# Altium PCB ADAPTONE_CARTE_DE_SON_V2.PcbDoc (part 1 of 2) (continued)
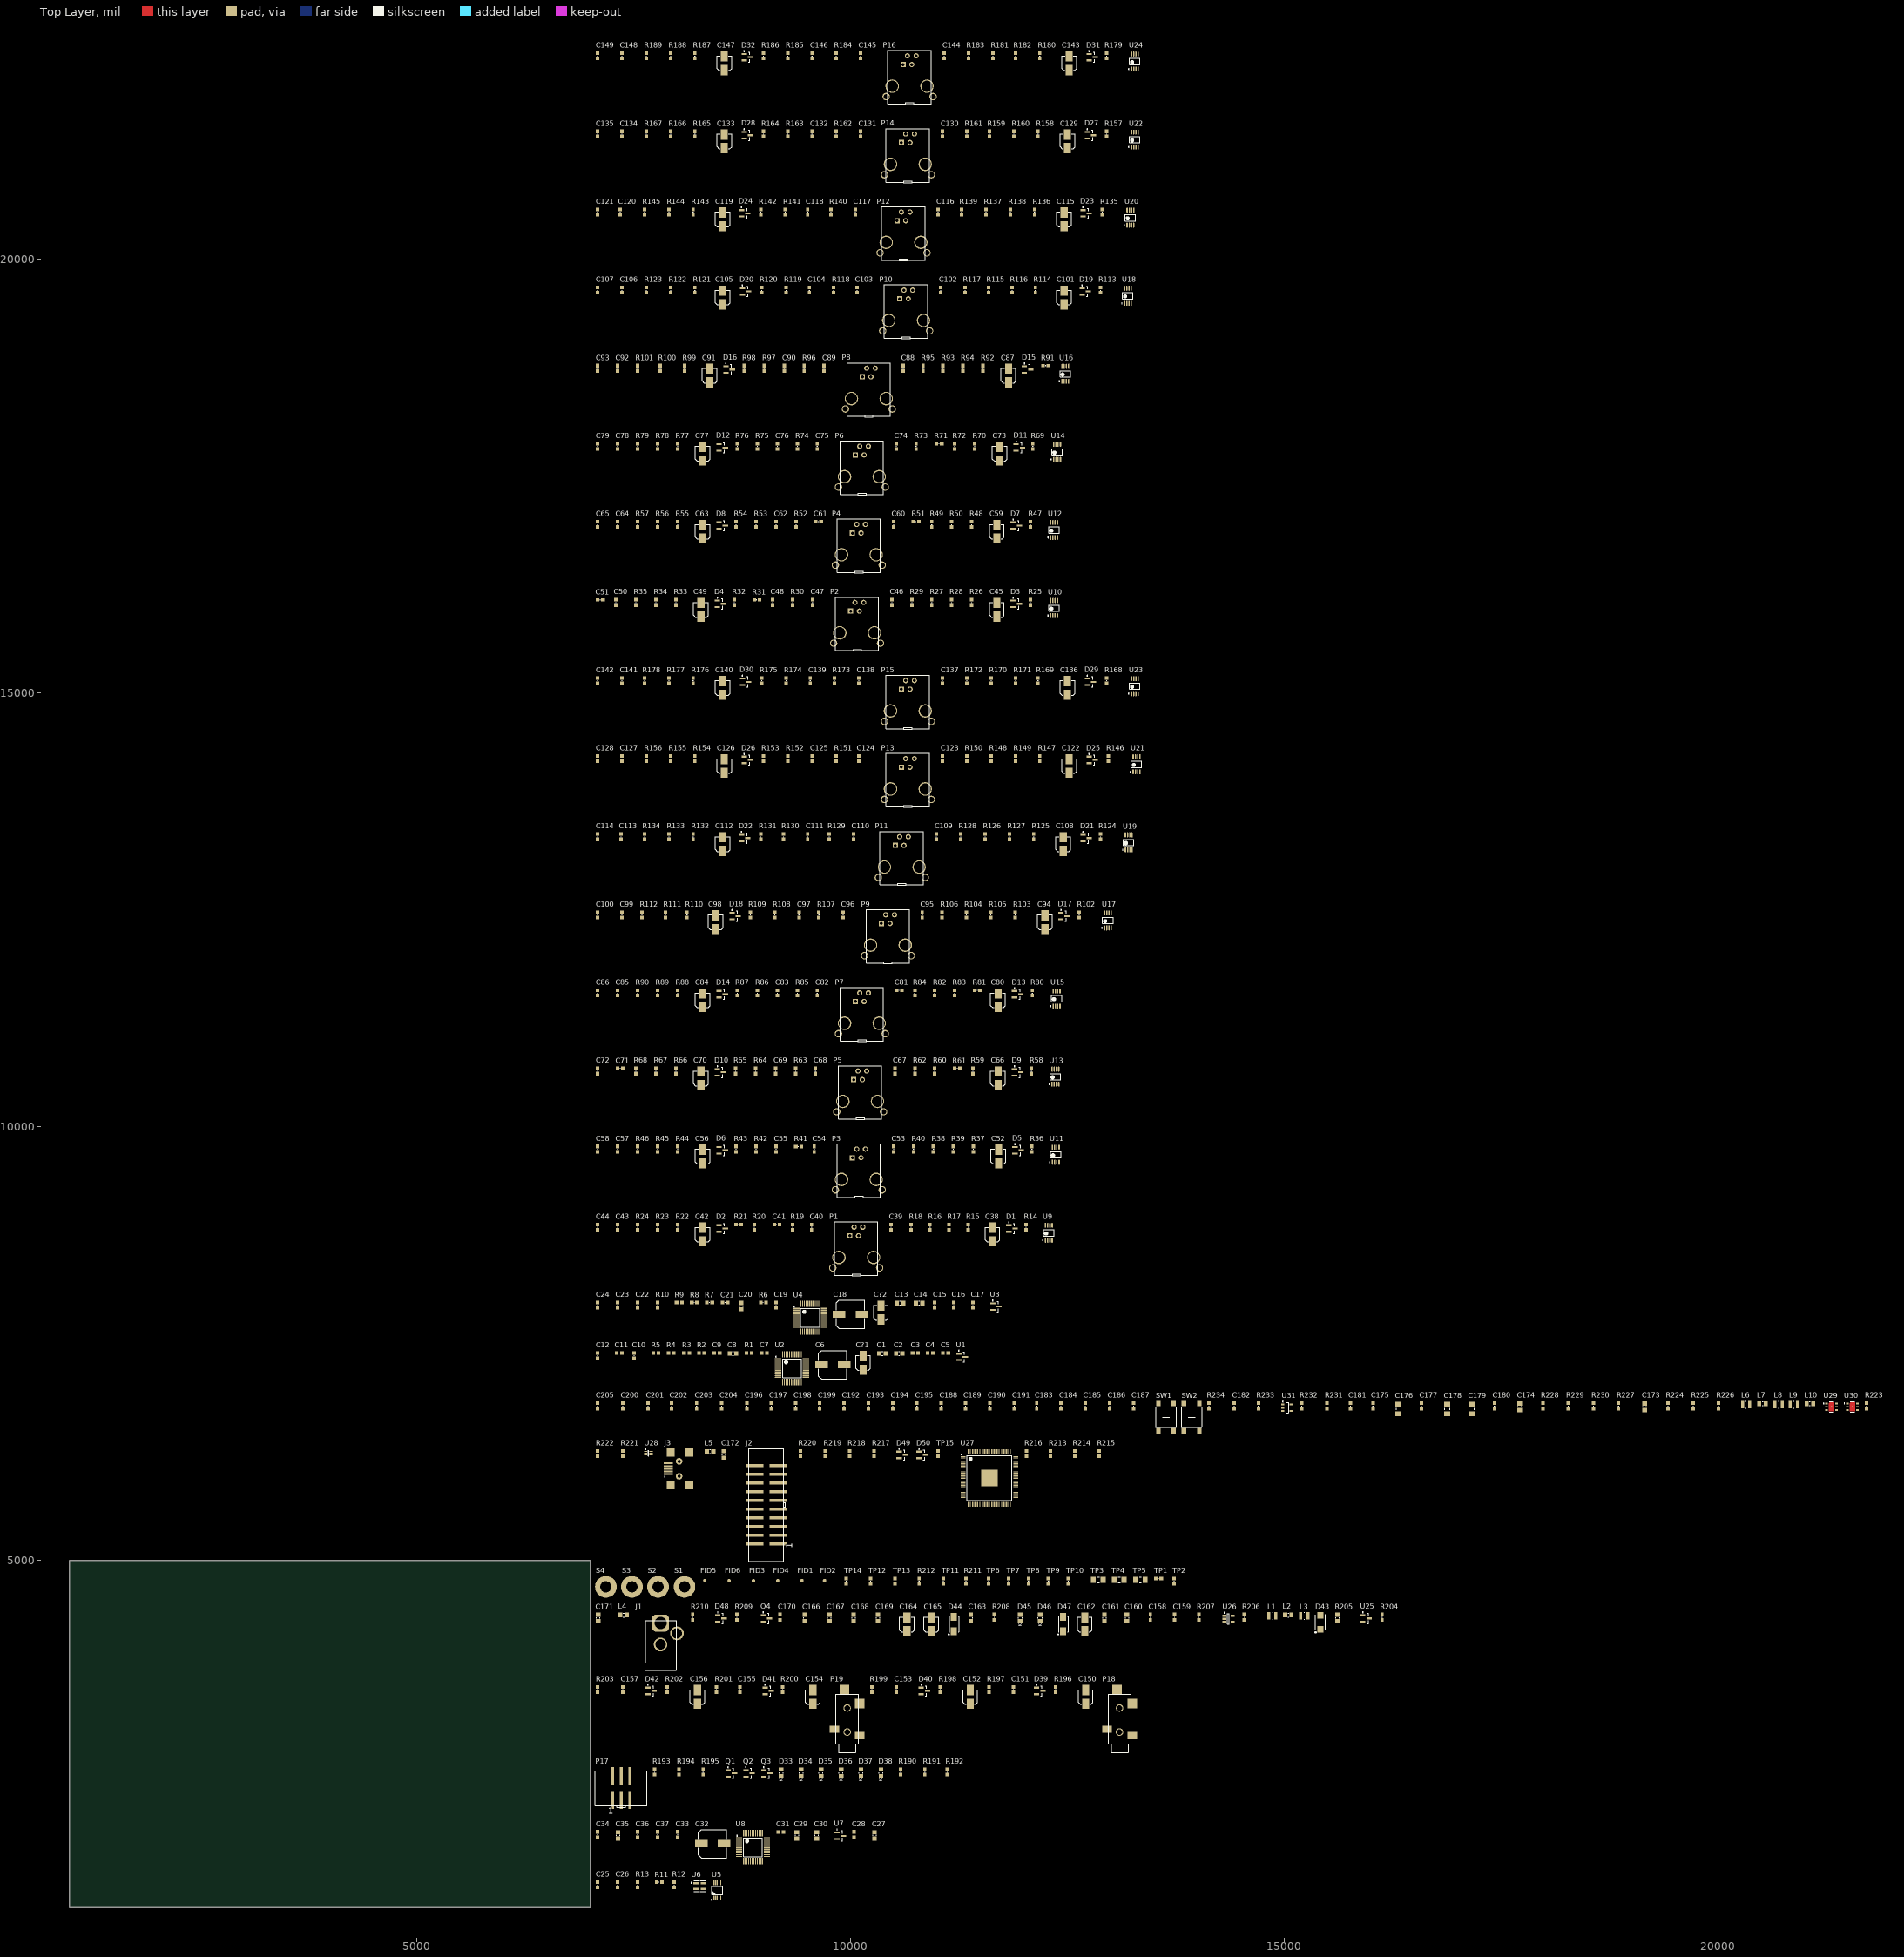
[diagram p0: Top Layer view]
## Components (designator, comment, footprint, x,y, rotation, side; value= is the part's Value field where it differs from the comment) (continued)
C57 "Capacitor" 0603 7315,9740 r90 top value=470pF (schematic designator C35)
C58 "Capacitor" 0603 7085,9740 r90 top value=100nF (schematic designator C36)
C59 "Capacitor_Polarized" CAP_RAD_SMD_DIA157 11685,16855 r90 top value=10uF (schematic designator C30)
C60 "Capacitor" 0603 10495,16940 r90 top value=470pF (schematic designator C31)
C61 "Capacitor" 0603 9630,16970 r0 top value=2200pF (schematic designator C32)
C62 "Capacitor" 0603 9140,16940 r90 top value=100nF (schematic designator C33)
C63 "Capacitor_Polarized" CAP_RAD_SMD_DIA157 8295,16855 r90 top value=10uF (schematic designator C34)
C64 "Capacitor" 0603 7315,16940 r90 top value=470pF (schematic designator C35)
C65 "Capacitor" 0603 7085,16940 r90 top value=100nF (schematic designator C36)
C66 "Capacitor_Polarized" CAP_RAD_SMD_DIA157 11700,10555 r90 top value=10uF (schematic designator C30)
C67 "Capacitor" 0603 10510,10640 r90 top value=470pF (schematic designator C31)
C68 "Capacitor" 0603 9595,10640 r90 top value=2200pF (schematic designator C32)
C69 "Capacitor" 0603 9135,10640 r90 top value=100nF (schematic designator C33)
C70 "Capacitor_Polarized" CAP_RAD_SMD_DIA157 8275,10555 r90 top value=10uF (schematic designator C34)
C71 "Capacitor" 0603 7345,10670 r0 top value=470pF (schematic designator C35)
C72 "Capacitor" 0603 7085,10640 r90 top value=100nF (schematic designator C36)
C73 "Capacitor_Polarized" CAP_RAD_SMD_DIA157 11720,17755 r90 top value=10uF (schematic designator C30)
C74 "Capacitor" 0603 10525,17840 r90 top value=470pF (schematic designator C31)
C75 "Capacitor" 0603 9615,17840 r90 top value=2200pF (schematic designator C32)
C76 "Capacitor" 0603 9155,17840 r90 top value=100nF (schematic designator C33)
C77 "Capacitor_Polarized" CAP_RAD_SMD_DIA157 8295,17755 r90 top value=10uF (schematic designator C34)
C78 "Capacitor" 0603 7315,17840 r90 top value=470pF (schematic designator C35)
C79 "Capacitor" 0603 7085,17840 r90 top value=100nF (schematic designator C36)
C80 "Capacitor_Polarized" CAP_RAD_SMD_DIA157 11700,11455 r90 top value=10uF (schematic designator C30)
C81 "Capacitor" 0603 10560,11570 r0 top value=470pF (schematic designator C31)
C82 "Capacitor" 0603 9615,11540 r90 top value=2200pF (schematic designator C32)
C83 "Capacitor" 0603 9155,11540 r90 top value=100nF (schematic designator C33)
C84 "Capacitor_Polarized" CAP_RAD_SMD_DIA157 8295,11455 r90 top value=10uF (schematic designator C34)
C85 "Capacitor" 0603 7315,11540 r90 top value=470pF (schematic designator C35)
C86 "Capacitor" 0603 7085,11540 r90 top value=100nF (schematic designator C36)
C87 "Capacitor_Polarized" CAP_RAD_SMD_DIA157 11820,18655 r90 top value=10uF (schematic designator C30)
C88 "Capacitor" 0603 10605,18740 r90 top value=470pF (schematic designator C31)
C89 "Capacitor" 0603 9695,18740 r90 top value=2200pF (schematic designator C32)
C90 "Capacitor" 0603 9235,18740 r90 top value=100nF (schematic designator C33)
C91 "Capacitor_Polarized" CAP_RAD_SMD_DIA157 8375,18655 r90 top value=10uF (schematic designator C34)
C92 "Capacitor" 0603 7315,18740 r90 top value=470pF (schematic designator C35)
C93 "Capacitor" 0603 7085,18740 r90 top value=100nF (schematic designator C36)
C94 "Capacitor_Polarized" CAP_RAD_SMD_DIA157 12240,12355 r90 top value=10uF (schematic designator C30)
C95 "Capacitor" 0603 10825,12440 r90 top value=470pF (schematic designator C31)
C96 "Capacitor" 0603 9915,12440 r90 top value=2200pF (schematic designator C32)
C97 "Capacitor" 0603 9405,12440 r90 top value=100nF (schematic designator C33)
C98 "Capacitor_Polarized" CAP_RAD_SMD_DIA157 8445,12355 r90 top value=10uF (schematic designator C34)
C99 "Capacitor" 0603 7365,12440 r90 top value=470pF (schematic designator C35)
C100 "Capacitor" 0603 7085,12440 r90 top value=100nF (schematic designator C36)
C101 "Capacitor_Polarized" CAP_RAD_SMD_DIA157 12460,19555 r90 top value=10uF (schematic designator C30)
C102 "Capacitor" 0603 11040,19640 r90 top value=470pF (schematic designator C31)
C103 "Capacitor" 0603 10075,19640 r90 top value=2200pF (schematic designator C32)
C104 "Capacitor" 0603 9525,19640 r90 top value=100nF (schematic designator C33)
C105 "Capacitor_Polarized" CAP_RAD_SMD_DIA157 8525,19555 r90 top value=10uF (schematic designator C34)
C106 "Capacitor" 0603 7365,19640 r90 top value=470pF (schematic designator C35)
C107 "Capacitor" 0603 7085,19640 r90 top value=100nF (schematic designator C36)
C108 "Capacitor_Polarized" CAP_RAD_SMD_DIA157 12450,13255 r90 top value=10uF (schematic designator C30)
C109 "Capacitor" 0603 10990,13340 r90 top value=470pF (schematic designator C31)
C110 "Capacitor" 0603 10035,13340 r90 top value=2200pF (schematic designator C32)
C111 "Capacitor" 0603 9505,13340 r90 top value=100nF (schematic designator C33)
C112 "Capacitor_Polarized" CAP_RAD_SMD_DIA157 8525,13255 r90 top value=10uF (schematic designator C34)
C113 "Capacitor" 0603 7355,13340 r90 top value=470pF (schematic designator C35)
C114 "Capacitor" 0603 7085,13340 r90 top value=100nF (schematic designator C36)
C115 "Capacitor_Polarized" CAP_RAD_SMD_DIA157 12460,20455 r90 top value=10uF (schematic designator C30)
C116 "Capacitor" 0603 11010,20540 r90 top value=470pF (schematic designator C31)
C117 "Capacitor" 0603 10055,20540 r90 top value=2200pF (schematic designator C32)
C118 "Capacitor" 0603 9505,20540 r90 top value=100nF (schematic designator C33)
C119 "Capacitor_Polarized" CAP_RAD_SMD_DIA157 8525,20455 r90 top value=10uF (schematic designator C34)
C120 "Capacitor" 0603 7345,20540 r90 top value=470pF (schematic designator C35)
C121 "Capacitor" 0603 7085,20540 r90 top value=100nF (schematic designator C36)
C122 "Capacitor_Polarized" CAP_RAD_SMD_DIA157 12520,14155 r90 top value=10uF (schematic designator C30)
C123 "Capacitor" 0603 11060,14240 r90 top value=470pF (schematic designator C31)
C124 "Capacitor" 0603 10095,14240 r90 top value=2200pF (schematic designator C32)
C125 "Capacitor" 0603 9555,14240 r90 top value=100nF (schematic designator C33)
C126 "Capacitor_Polarized" CAP_RAD_SMD_DIA157 8545,14155 r90 top value=10uF (schematic designator C34)
C127 "Capacitor" 0603 7365,14240 r90 top value=470pF (schematic designator C35)
C128 "Capacitor" 0603 7085,14240 r90 top value=100nF (schematic designator C36)
C129 "Capacitor_Polarized" CAP_RAD_SMD_DIA157 12500,21355 r90 top value=10uF (schematic designator C30)
C130 "Capacitor" 0603 11060,21440 r90 top value=470pF (schematic designator C31)
C131 "Capacitor" 0603 10115,21440 r90 top value=2200pF (schematic designator C32)
C132 "Capacitor" 0603 9555,21440 r90 top value=100nF (schematic designator C33)
C133 "Capacitor_Polarized" CAP_RAD_SMD_DIA157 8545,21355 r90 top value=10uF (schematic designator C34)
C134 "Capacitor" 0603 7365,21440 r90 top value=470pF (schematic designator C35)
C135 "Capacitor" 0603 7085,21440 r90 top value=100nF (schematic designator C36)
C136 "Capacitor_Polarized" CAP_RAD_SMD_DIA157 12500,15055 r90 top value=10uF (schematic designator C30)
C137 "Capacitor" 0603 11060,15140 r90 top value=470pF (schematic designator C31)
C138 "Capacitor" 0603 10095,15140 r90 top value=2200pF (schematic designator C32)
C139 "Capacitor" 0603 9535,15140 r90 top value=100nF (schematic designator C33)
C140 "Capacitor_Polarized" CAP_RAD_SMD_DIA157 8525,15055 r90 top value=10uF (schematic designator C34)
C141 "Capacitor" 0603 7365,15140 r90 top value=470pF (schematic designator C35)
C142 "Capacitor" 0603 7085,15140 r90 top value=100nF (schematic designator C36)
C143 "Capacitor_Polarized" CAP_RAD_SMD_DIA157 12520,22255 r90 top value=10uF (schematic designator C30)
C144 "Capacitor" 0603 11080,22340 r90 top value=470pF (schematic designator C31)
C145 "Capacitor" 0603 10115,22340 r90 top value=2200pF (schematic designator C32)
C146 "Capacitor" 0603 9555,22340 r90 top value=100nF (schematic designator C33)
C147 "Capacitor_Polarized" CAP_RAD_SMD_DIA157 8545,22255 r90 top value=10uF (schematic designator C34)
C148 "Capacitor" 0603 7365,22340 r90 top value=470pF (schematic designator C35)
C149 "Capacitor" 0603 7085,22340 r90 top value=100nF (schematic designator C36)
C150 "Capacitor_Polarized" CAP_RAD_SMD_DIA157 12710,3425 r90 top value=10uF (schematic designator C81)
C151 "Capacitor" 0603 11875,3510 r90 top value=2200pF (schematic designator C82)
C152 "Capacitor_Polarized" CAP_RAD_SMD_DIA157 11380,3425 r90 top value=10uF (schematic designator C83)
C153 "Capacitor" 0603 10525,3510 r90 top value=2200pF (schematic designator C84)
C154 "Capacitor_Polarized" CAP_RAD_SMD_DIA157 9565,3425 r90 top value=10uF (schematic designator C85)
C155 "Capacitor" 0603 8725,3510 r90 top value=2200pF (schematic designator C86)
C156 "Capacitor_Polarized" CAP_RAD_SMD_DIA157 8235,3425 r90 top value=10uF (schematic designator C87)
C157 "Capacitor" 0603 7375,3510 r90 top value=2200pF (schematic designator C88)
C158 "Capacitor" 0603 13455,4345 r90 top value=470pF (schematic designator C3)
C159 "Capacitor" 0603 13735,4345 r90 top value=470pF (schematic designator C4)
C160 "Capacitor" 0805 13185,4335 r90 top value=4u7F (schematic designator C5)
C161 "Capacitor" 0805 12925,4335 r90 top value=4u7F (schematic designator C6)
C162 "Capacitor_Polarized" CAP_RAD_SMD_DIA157 12700,4260 r90 top value=10uF (schematic designator C7)
C163 "Capacitor" 0805 11385,4335 r90 top value=4u7F (schematic designator C8)
C164 "Capacitor_Polarized" CAP_RAD_SMD_DIA157 10650,4260 r90 top value=10uF (schematic designator C9)
C165 "Capacitor_Polarized" CAP_RAD_SMD_DIA157 10930,4260 r90 top value=10uF (schematic designator C10)
C166 "Capacitor" 0805 9475,4335 r90 top value=4u7F (schematic designator C11)
C167 "Capacitor" 0805 9755,4335 r90 top value=4u7F (schematic designator C12)
C168 "Capacitor" 0805 10035,4335 r90 top value=4u7F (schematic designator C13)
C169 "Capacitor" 0805 10315,4335 r90 top value=4u7F (schematic designator C14)
C170 "Capacitor" 0603 9185,4345 r90 top value=100nF (schematic designator C15)
C171 "Capacitor" 0805 7090,4335 r90 top value=4u7F (schematic designator C16)
C172 "Capacitor" 0805 8540,6220 r90 top value=4u7F (schematic designator C17)
C173 "Capacitor" 0805 19150,6770 r90 top value=4u7F (schematic designator C37)
C174 "Capacitor" 0805 17710,6770 r90 top value=4u7F (schematic designator C38)
C175 "Capacitor" 0603 16020,6780 r90 top value=100nF (schematic designator C39)
C176 "Capacitor" 1206 16315,6745 r90 top value=22uF (schematic designator C40)
C177 "Capacitor" 0603 16580,6780 r90 top value=100nF (schematic designator C41)
C178 "Capacitor" 1206 16875,6745 r90 top value=22uF (schematic designator C42)
C179 "Capacitor" 1206 17155,6745 r90 top value=22uF (schematic designator C43)
C180 "Capacitor" 0603 17420,6780 r90 top value=100nF (schematic designator C44)
C181 "Capacitor" 0603 15760,6780 r90 top value=100nF (schematic designator C45)
C182 "Capacitor" 0603 14420,6780 r90 top value=100nF (schematic designator C46)
C183 "Capacitor" 0603 12145,6780 r90 top value=100nF (schematic designator C47)
C184 "Capacitor" 0603 12425,6780 r90 top value=100nF (schematic designator C48)
C185 "Capacitor" 0603 12705,6780 r90 top value=100nF (schematic designator C49)
C186 "Capacitor" 0603 12985,6780 r90 top value=100nF (schematic designator C50)
C187 "Capacitor" 0603 13260,6780 r90 top value=100nF (schematic designator C51)
C188 "Capacitor" 0603 11045,6780 r90 top value=100nF (schematic designator C52)
C189 "Capacitor" 0603 11325,6780 r90 top value=100nF (schematic designator C53)
C190 "Capacitor" 0603 11605,6780 r90 top value=100nF (schematic designator C54)
C191 "Capacitor" 0603 11885,6780 r90 top value=100nF (schematic designator C55)
C192 "Capacitor" 0603 9925,6780 r90 top value=100nF (schematic designator C56)
C193 "Capacitor" 0603 10205,6780 r90 top value=100nF (schematic designator C57)
C194 "Capacitor" 0603 10485,6780 r90 top value=100nF (schematic designator C58)
C195 "Capacitor" 0603 10765,6780 r90 top value=100nF (schematic designator C59)
C196 "Capacitor" 0603 8805,6780 r90 top value=100nF (schematic designator C60)
C197 "Capacitor" 0603 9085,6780 r90 top value=100nF (schematic designator C61)
C198 "Capacitor" 0603 9365,6780 r90 top value=100nF (schematic designator C62)
C199 "Capacitor" 0603 9645,6780 r90 top value=100nF (schematic designator C63)
C200 "Capacitor" 0603 7375,6780 r90 top value=100nF (schematic designator C64)
C201 "Capacitor" 0603 7665,6780 r90 top value=100nF (schematic designator C65)
C202 "Capacitor" 0603 7935,6780 r90 top value=100nF (schematic designator C66)
C203 "Capacitor" 0603 8225,6780 r90 top value=100nF (schematic designator C67)
C204 "Capacitor" 0603 8515,6780 r90 top value=100nF (schematic designator C68)
C205 "Capacitor" 0603 7085,6780 r90 top value=100nF (schematic designator C69)
C?1 "Capacitor_Polarized" CAP_RAD_SMD_DIA157 10145,7275 r90 top value=220uF (schematic designator C89)
C?2 "Capacitor_Polarized" CAP_RAD_SMD_DIA157 10350,7855 r90 top value=220uF (schematic designator C89)
D1 "Diode_dual" SOT23_132 11860,8825 r0 top (schematic designator D15)
D2 "Diode_dual" SOT23_132 8520,8825 r0 top (schematic designator D16)
D3 "Diode_dual" SOT23_132 11910,16025 r0 top (schematic designator D15)
D4 "Diode_dual" SOT23_132 8500,16025 r0 top (schematic designator D16)
D5 "Diode_dual" SOT23_132 11930,9725 r0 top (schematic designator D15)
D6 "Diode_dual" SOT23_132 8520,9725 r0 top (schematic designator D16)
D7 "Diode_dual" SOT23_132 11910,16925 r0 top (schematic designator D15)
D8 "Diode_dual" SOT23_132 8520,16925 r0 top (schematic designator D16)
D9 "Diode_dual" SOT23_132 11925,10625 r0 top (schematic designator D15)
D10 "Diode_dual" SOT23_132 8500,10625 r0 top (schematic designator D16)
D11 "Diode_dual" SOT23_132 11945,17825 r0 top (schematic designator D15)
D12 "Diode_dual" SOT23_132 8520,17825 r0 top (schematic designator D16)
D13 "Diode_dual" SOT23_132 11925,11525 r0 top (schematic designator D15)
D14 "Diode_dual" SOT23_132 8520,11525 r0 top (schematic designator D16)
D15 "Diode_dual" SOT23_132 12040,18725 r0 top
D16 "Diode_dual" SOT23_132 8600,18725 r0 top
D17 "Diode_dual" SOT23_132 12460,12425 r0 top (schematic designator D15)
D18 "Diode_dual" SOT23_132 8670,12425 r0 top (schematic designator D16)
D19 "Diode_dual" SOT23_132 12705,19625 r0 top (schematic designator D15)
D20 "Diode_dual" SOT23_132 8790,19625 r0 top (schematic designator D16)
D21 "Diode_dual" SOT23_132 12715,13325 r0 top (schematic designator D15)
D22 "Diode_dual" SOT23_132 8780,13325 r0 top (schematic designator D16)
D23 "Diode_dual" SOT23_132 12715,20525 r0 top (schematic designator D15)
D24 "Diode_dual" SOT23_132 8780,20525 r0 top (schematic designator D16)
D25 "Diode_dual" SOT23_132 12785,14225 r0 top (schematic designator D15)
D26 "Diode_dual" SOT23_132 8810,14225 r0 top (schematic designator D16)
D27 "Diode_dual" SOT23_132 12765,21425 r0 top (schematic designator D15)
D28 "Diode_dual" SOT23_132 8810,21425 r0 top (schematic designator D16)
D29 "Diode_dual" SOT23_132 12765,15125 r0 top (schematic designator D15)
D30 "Diode_dual" SOT23_132 8790,15125 r0 top (schematic designator D16)
D31 "Diode_dual" SOT23_132 12785,22325 r0 top (schematic designator D15)
D32 "Diode_dual" SOT23_132 8810,22325 r0 top (schematic designator D16)
D33 "Diode_LED" 0805_LED 9200,2550 r90 top (schematic designator D1)
D34 "Diode_LED" 0805_LED 9430,2550 r90 top (schematic designator D2)
D35 "Diode_LED" 0805_LED 9660,2550 r90 top (schematic designator D3)
D36 "Diode_LED" 0805_LED 9890,2550 r90 top (schematic designator D4)
D37 "Diode_LED" 0805_LED 10120,2550 r90 top (schematic designator D5)
D38 "Diode_LED" 0805_LED 10350,2550 r90 top (schematic designator D6)
D39 "Diode_dual" SOT23_132 12180,3495 r0 top (schematic designator D17)
D40 "Diode_dual" SOT23_132 10850,3495 r0 top (schematic designator D18)
D41 "Diode_dual" SOT23_132 9050,3495 r0 top (schematic designator D19)
D42 "Diode_dual" SOT23_132 7700,3495 r0 top (schematic designator D20)
D43 "Diode" DIODE_SMA 15415,4285 r90 top (schematic designator D7)
D44 "Diode_zener" DIODE_DO-214AC/SMA 11190,4265 r90 top (schematic designator D8)
D45 "Diode_LED" 0805_LED 11955,4335 r90 top (schematic designator D9)
D46 "Diode_LED" 0805_LED 12185,4335 r90 top (schematic designator D10)
D47 "Diode_zener" DIODE_DO-214AC/SMA 12450,4265 r90 top (schematic designator D11)
D48 "Diode_dual" SOT23_132 8505,4330 r0 top (schematic designator D12)
D49 "Diode_dual" SOT23_132 10595,6215 r0 top (schematic designator D13)
D50 "Diode_dual" SOT23_132 10825,6215 r0 top (schematic designator D14)
FID1 "Fiducial" FIDUCIAL 9440,4765 r0 top
FID2 "Fiducial" FIDUCIAL 9700,4765 r90 top
FID3 "Fiducial" FIDUCIAL 8880,4765 r90 top
FID4 "Fiducial" FIDUCIAL 9160,4765 r90 top
FID5 "Fiducial" FIDUCIAL 8320,4765 r90 top
FID6 "Fiducial" FIDUCIAL 8600,4765 r90 top
J1 "CON_POWER_RAPC712X" CONN_2.5mmID5.5mmOD_RAPC712X 7810,4030 r0 top
J2 "CON20" CONN20_100mils_pol_SMD 9030,5640 r90 top
J3 "USB_MINIB_690-005-299-043" CONN_USB_MINIB_690-005-299-043 8020,6055 r0 top
L1 "Inductor" IND_252012CDMC/DS 14860,4360 r0 top value=10uH
L2 "Ferrite" 0805 15045,4370 r0 top value=100R
L3 "Inductor" IND_252012CDMC/DS 15230,4360 r0 top value=10uH
L4 "Ferrite" 0805 7385,4370 r0 top value=100R
L5 "Ferrite" 0805 8380,6255 r0 top value=100R
L6 "Inductor" IND_252012CDMC/DS 20320,6795 r0 top value=2u2H
L7 "Ferrite" 0805 20510,6805 r0 top value=100R
L8 "Inductor" IND_252012CDMC/DS 20695,6795 r0 top value=10uH
L9 "Inductor" IND_252012CDMC/DS 20870,6795 r0 top value=2u2H
L10 "Ferrite" 0805 21055,6805 r0 top value=100R
P1 "CON6_5555140-2" CONN4_5555140-2 10065,8490 r0 top (schematic designator P2)
P2 "CON6_5555140-2" CONN4_5555140-2 10075,15690 r0 top
P3 "CON6_5555140-2" CONN4_5555140-2 10095,9390 r0 top (schematic designator P2)
P4 "CON6_5555140-2" CONN4_5555140-2 10095,16590 r0 top (schematic designator P2)
P5 "CON6_5555140-2" CONN4_5555140-2 10110,10290 r0 top (schematic designator P2)
P6 "CON6_5555140-2" CONN4_5555140-2 10130,17490 r0 top (schematic designator P2)
P7 "CON6_5555140-2" CONN4_5555140-2 10130,11190 r0 top (schematic designator P2)
P8 "CON6_5555140-2" CONN4_5555140-2 10210,18390 r0 top (schematic designator P2)
P9 "CON6_5555140-2" CONN4_5555140-2 10430,12090 r0 top (schematic designator P2)
P10 "CON6_5555140-2" CONN4_5555140-2 10640,19290 r0 top (schematic designator P2)
P11 "CON6_5555140-2" CONN4_5555140-2 10590,12990 r0 top (schematic designator P2)
P12 "CON6_5555140-2" CONN4_5555140-2 10610,20190 r0 top (schematic designator P2)
P13 "CON6_5555140-2" CONN4_5555140-2 10660,13890 r0 top (schematic designator P2)
P14 "CON6_5555140-2" CONN4_5555140-2 10660,21090 r0 top (schematic designator P2)
P15 "CON6_5555140-2" CONN4_5555140-2 10660,14790 r0 top (schematic designator P2)
P16 "CON6_5555140-2" CONN4_5555140-2 10680,21990 r0 top (schematic designator P2)
P17 "CON6_3020-06-0300-00" CONN6_100mils_pol_SMD 7355,2375 r0 top (schematic designator P1)
P18 "CON_AUDIO_3.5mm_TRS_ALT1" "CONN_3.5mm_CUI 3523-SMT" 13100,2845 r90 top (schematic designator P3)
P19 "CON_AUDIO_3.5mm_TRS_ALT1" "CONN_3.5mm_CUI 3523-SMT" 9960,2845 r90 top (schematic designator P4)
Q1 "BJT_N_GDS" SOT23_GDS 8625,2545 r0 top
Q2 "BJT_N_GDS" SOT23_GDS 8830,2545 r0 top
Q3 "BJT_N_GDS" SOT23_GDS 9035,2545 r0 top
Q4 "MOSFET_P_GDS" SOT23_GDS 9030,4330 r0 top
R1 "Resistor" 0603 8830,7390 r0 top value=10k (schematic designator R29)
R2 "Resistor" 0603 8285,7390 r0 top value=33R (schematic designator R30)
R3 "Resistor" 0603 8110,7390 r0 top value=33R (schematic designator R31)
R4 "Resistor" 0603 7930,7390 r0 top value=33R (schematic designator R32)
R5 "Resistor" 0603 7755,7390 r0 top value=33R (schematic designator R33)
R6 "Resistor" 0603 8995,7970 r0 top value=10k (schematic designator R29)
R7 "Resistor" 0603 8375,7970 r0 top value=33R (schematic designator R30)
R8 "Resistor" 0603 8200,7970 r0 top value=33R (schematic designator R31)
R9 "Resistor" 0603 8025,7970 r0 top value=33R (schematic designator R32)
R10 "Resistor" 0603 7775,7940 r90 top value=33R (schematic designator R33)
R11 "Resistor" 0603 7795,1290 r0 top value=33R (schematic designator R1)
R12 "Resistor" 0603 7965,1260 r90 top value=33R (schematic designator R2)
R13 "Resistor" 0603 7545,1260 r90 top value=0R (schematic designator R3)
R14 "Resistor" 0603 12020,8840 r90 top value=1k (schematic designator R34)
R15 "Resistor" 0603 11355,8840 r90 top value=91R (schematic designator R35)
R16 "Resistor" 0603 10915,8840 r90 top value=100k (schematic designator R36)
R17 "Resistor" 0603 11135,8840 r90 top value=100k (schematic designator R37)
R18 "Resistor" 0603 10695,8840 r90 top value=634R (schematic designator R38)
R19 "Resistor" 0603 9330,8840 r90 top value=10R (schematic designator R39)
R20 "Resistor" 0603 8890,8840 r90 top value=100k (schematic designator R40)
R21 "Resistor" 0603 8710,8870 r0 top value=1k (schematic designator R41)
R22 "Resistor" 0603 8005,8840 r90 top value=91R (schematic designator R42)
R23 "Resistor" 0603 7775,8840 r90 top value=100k (schematic designator R43)
R24 "Resistor" 0603 7545,8840 r90 top value=634R (schematic designator R44)
R25 "Resistor" 0603 12070,16040 r90 top value=1k (schematic designator R34)
R26 "Resistor" 0603 11395,16040 r90 top value=91R (schematic designator R35)
R27 "Resistor" 0603 10935,16040 r90 top value=100k (schematic designator R36)
R28 "Resistor" 0603 11165,16040 r90 top value=100k (schematic designator R37)
R29 "Resistor" 0603 10705,16040 r90 top value=634R (schematic designator R38)
R30 "Resistor" 0603 9330,16040 r90 top value=10R (schematic designator R39)
R31 "Resistor" 0603 8920,16070 r0 top value=100k (schematic designator R40)
R32 "Resistor" 0603 8660,16040 r90 top value=1k (schematic designator R41)
R33 "Resistor" 0603 7985,16040 r90 top value=91R (schematic designator R42)
R34 "Resistor" 0603 7755,16040 r90 top value=100k (schematic designator R43)
R35 "Resistor" 0603 7525,16040 r90 top value=634R (schematic designator R44)
R36 "Resistor" 0603 12090,9740 r90 top value=1k (schematic designator R34)
R37 "Resistor" 0603 11415,9740 r90 top value=91R (schematic designator R35)
R38 "Resistor" 0603 10955,9740 r90 top value=100k (schematic designator R36)
R39 "Resistor" 0603 11185,9740 r90 top value=100k (schematic designator R37)
R40 "Resistor" 0603 10725,9740 r90 top value=634R (schematic designator R38)
R41 "Resistor" 0603 9400,9770 r0 top value=10R (schematic designator R39)
R42 "Resistor" 0603 8910,9740 r90 top value=100k (schematic designator R40)
R43 "Resistor" 0603 8680,9740 r90 top value=1k (schematic designator R41)
R44 "Resistor" 0603 8005,9740 r90 top value=91R (schematic designator R42)
R45 "Resistor" 0603 7775,9740 r90 top value=100k (schematic designator R43)
R46 "Resistor" 0603 7545,9740 r90 top value=634R (schematic designator R44)
R47 "Resistor" 0603 12070,16940 r90 top value=1k (schematic designator R34)
R48 "Resistor" 0603 11395,16940 r90 top value=91R (schematic designator R35)
R49 "Resistor" 0603 10935,16940 r90 top value=100k (schematic designator R36)
R50 "Resistor" 0603 11165,16940 r90 top value=100k (schematic designator R37)
R51 "Resistor" 0603 10755,16970 r0 top value=634R (schematic designator R38)
R52 "Resistor" 0603 9370,16940 r90 top value=10R (schematic designator R39)
R53 "Resistor" 0603 8910,16940 r90 top value=100k (schematic designator R40)
R54 "Resistor" 0603 8680,16940 r90 top value=1k (schematic designator R41)
R55 "Resistor" 0603 8005,16940 r90 top value=91R (schematic designator R42)
R56 "Resistor" 0603 7775,16940 r90 top value=100k (schematic designator R43)
R57 "Resistor" 0603 7545,16940 r90 top value=634R (schematic designator R44)
R58 "Resistor" 0603 12085,10640 r90 top value=1k (schematic designator R34)
R59 "Resistor" 0603 11410,10640 r90 top value=91R (schematic designator R35)
R60 "Resistor" 0603 10970,10640 r90 top value=100k (schematic designator R36)
R61 "Resistor" 0603 11230,10670 r0 top value=100k (schematic designator R37)
R62 "Resistor" 0603 10740,10640 r90 top value=634R (schematic designator R38)
R63 "Resistor" 0603 9365,10640 r90 top value=10R (schematic designator R39)
R64 "Resistor" 0603 8905,10640 r90 top value=100k (schematic designator R40)
R65 "Resistor" 0603 8675,10640 r90 top value=1k (schematic designator R41)
R66 "Resistor" 0603 7985,10640 r90 top value=91R (schematic designator R42)
R67 "Resistor" 0603 7755,10640 r90 top value=100k (schematic designator R43)
R68 "Resistor" 0603 7525,10640 r90 top value=634R (schematic designator R44)
R69 "Resistor" 0603 12100,17840 r90 top value=1k (schematic designator R34)
R70 "Resistor" 0603 11430,17840 r90 top value=91R (schematic designator R35)
R71 "Resistor" 0603 11020,17870 r0 top value=100k (schematic designator R36)
R72 "Resistor" 0603 11200,17840 r90 top value=100k (schematic designator R37)
R73 "Resistor" 0603 10755,17840 r90 top value=634R (schematic designator R38)
R74 "Resistor" 0603 9385,17840 r90 top value=10R (schematic designator R39)
R75 "Resistor" 0603 8925,17840 r90 top value=100k (schematic designator R40)
R76 "Resistor" 0603 8695,17840 r90 top value=1k (schematic designator R41)
R77 "Resistor" 0603 8005,17840 r90 top value=91R (schematic designator R42)
R78 "Resistor" 0603 7775,17840 r90 top value=100k (schematic designator R43)
R79 "Resistor" 0603 7545,17840 r90 top value=634R (schematic designator R44)
R80 "Resistor" 0603 12095,11540 r90 top value=1k (schematic designator R34)
R81 "Resistor" 0603 11460,11570 r0 top value=91R (schematic designator R35)
R82 "Resistor" 0603 10970,11540 r90 top value=100k (schematic designator R36)
R83 "Resistor" 0603 11200,11540 r90 top value=100k (schematic designator R37)
R84 "Resistor" 0603 10740,11540 r90 top value=634R (schematic designator R38)
R85 "Resistor" 0603 9385,11540 r90 top value=10R (schematic designator R39)
R86 "Resistor" 0603 8925,11540 r90 top value=100k (schematic designator R40)
R87 "Resistor" 0603 8695,11540 r90 top value=1k (schematic designator R41)
R88 "Resistor" 0603 8005,11540 r90 top value=91R (schematic designator R42)
R89 "Resistor" 0603 7775,11540 r90 top value=100k (schematic designator R43)
R90 "Resistor" 0603 7545,11540 r90 top value=634R (schematic designator R44)
R91 "Resistor" 0603 12250,18770 r0 top value=1k (schematic designator R34)
R92 "Resistor" 0603 11525,18740 r90 top value=91R (schematic designator R35)
R93 "Resistor" 0603 11065,18740 r90 top value=100k (schematic designator R36)
R94 "Resistor" 0603 11295,18740 r90 top value=100k (schematic designator R37)
R95 "Resistor" 0603 10835,18740 r90 top value=634R (schematic designator R38)
R96 "Resistor" 0603 9465,18740 r90 top value=10R (schematic designator R39)
R97 "Resistor" 0603 9005,18740 r90 top value=100k (schematic designator R40)
R98 "Resistor" 0603 8775,18740 r90 top value=1k (schematic designator R41)
R99 "Resistor" 0603 8085,18740 r90 top value=91R (schematic designator R42)
R100 "Resistor" 0603 7805,18740 r90 top value=100k (schematic designator R43)
R101 "Resistor" 0603 7545,18740 r90 top value=634R (schematic designator R44)
R102 "Resistor" 0603 12635,12440 r90 top value=1k (schematic designator R34)
R103 "Resistor" 0603 11895,12440 r90 top value=91R (schematic designator R35)
R104 "Resistor" 0603 11335,12440 r90 top value=100k (schematic designator R36)
R105 "Resistor" 0603 11615,12440 r90 top value=100k (schematic designator R37)
R106 "Resistor" 0603 11055,12440 r90 top value=634R (schematic designator R38)
R107 "Resistor" 0603 9635,12440 r90 top value=10R (schematic designator R39)
R108 "Resistor" 0603 9125,12440 r90 top value=100k (schematic designator R40)
R109 "Resistor" 0603 8845,12440 r90 top value=1k (schematic designator R41)
R110 "Resistor" 0603 8115,12440 r90 top value=91R (schematic designator R42)
R111 "Resistor" 0603 7865,12440 r90 top value=100k (schematic designator R43)
R112 "Resistor" 0603 7595,12440 r90 top value=634R (schematic designator R44)
R113 "Resistor" 0603 12880,19640 r90 top value=1k (schematic designator R34)
R114 "Resistor" 0603 12130,19640 r90 top value=91R (schematic designator R35)
R115 "Resistor" 0603 11590,19640 r90 top value=100k (schematic designator R36)
R116 "Resistor" 0603 11860,19640 r90 top value=100k (schematic designator R37)
R117 "Resistor" 0603 11320,19640 r90 top value=634R (schematic designator R38)
R118 "Resistor" 0603 9805,19640 r90 top value=10R (schematic designator R39)
R119 "Resistor" 0603 9255,19640 r90 top value=100k (schematic designator R40)
R120 "Resistor" 0603 8975,19640 r90 top value=1k (schematic designator R41)
R121 "Resistor" 0603 8205,19640 r90 top value=91R (schematic designator R42)
R122 "Resistor" 0603 7925,19640 r90 top value=100k (schematic designator R43)
R123 "Resistor" 0603 7645,19640 r90 top value=634R (schematic designator R44)
R124 "Resistor" 0603 12880,13340 r90 top value=1k (schematic designator R34)
R125 "Resistor" 0603 12110,13340 r90 top value=91R (schematic designator R35)
R126 "Resistor" 0603 11550,13340 r90 top value=100k (schematic designator R36)
R127 "Resistor" 0603 11830,13340 r90 top value=100k (schematic designator R37)
R128 "Resistor" 0603 11270,13340 r90 top value=634R (schematic designator R38)
R129 "Resistor" 0603 9755,13340 r90 top value=10R (schematic designator R39)
R130 "Resistor" 0603 9225,13340 r90 top value=100k (schematic designator R40)
R131 "Resistor" 0603 8965,13340 r90 top value=1k (schematic designator R41)
R132 "Resistor" 0603 8185,13340 r90 top value=91R (schematic designator R42)
R133 "Resistor" 0603 7905,13340 r90 top value=100k (schematic designator R43)
R134 "Resistor" 0603 7625,13340 r90 top value=634R (schematic designator R44)
R135 "Resistor" 0603 12900,20540 r90 top value=1k (schematic designator R34)
R136 "Resistor" 0603 12120,20540 r90 top value=91R (schematic designator R35)
R137 "Resistor" 0603 11560,20540 r90 top value=100k (schematic designator R36)
R138 "Resistor" 0603 11840,20540 r90 top value=100k (schematic designator R37)
R139 "Resistor" 0603 11280,20540 r90 top value=634R (schematic designator R38)
R140 "Resistor" 0603 9775,20540 r90 top value=10R (schematic designator R39)
R141 "Resistor" 0603 9245,20540 r90 top value=100k (schematic designator R40)
R142 "Resistor" 0603 8965,20540 r90 top value=1k (schematic designator R41)
R143 "Resistor" 0603 8185,20540 r90 top value=91R (schematic designator R42)
R144 "Resistor" 0603 7905,20540 r90 top value=100k (schematic designator R43)
R145 "Resistor" 0603 7625,20540 r90 top value=634R (schematic designator R44)
R146 "Resistor" 0603 12970,14240 r90 top value=1k (schematic designator R34)
R147 "Resistor" 0603 12180,14240 r90 top value=91R (schematic designator R35)
R148 "Resistor" 0603 11620,14240 r90 top value=100k (schematic designator R36)
R149 "Resistor" 0603 11900,14240 r90 top value=100k (schematic designator R37)
R150 "Resistor" 0603 11340,14240 r90 top value=634R (schematic designator R38)
R151 "Resistor" 0603 9835,14240 r90 top value=10R (schematic designator R39)
R152 "Resistor" 0603 9275,14240 r90 top value=100k (schematic designator R40)
R153 "Resistor" 0603 8995,14240 r90 top value=1k (schematic designator R41)
R154 "Resistor" 0603 8205,14240 r90 top value=91R (schematic designator R42)
R155 "Resistor" 0603 7925,14240 r90 top value=100k (schematic designator R43)
R156 "Resistor" 0603 7645,14240 r90 top value=634R (schematic designator R44)
R157 "Resistor" 0603 12950,21440 r90 top value=1k (schematic designator R34)
R158 "Resistor" 0603 12160,21440 r90 top value=91R (schematic designator R35)
R159 "Resistor" 0603 11600,21440 r90 top value=100k (schematic designator R36)
R160 "Resistor" 0603 11880,21440 r90 top value=100k (schematic designator R37)
R161 "Resistor" 0603 11340,21440 r90 top value=634R (schematic designator R38)
R162 "Resistor" 0603 9835,21440 r90 top value=10R (schematic designator R39)
R163 "Resistor" 0603 9275,21440 r90 top value=100k (schematic designator R40)
R164 "Resistor" 0603 8995,21440 r90 top value=1k (schematic designator R41)
R165 "Resistor" 0603 8205,21440 r90 top value=91R (schematic designator R42)
R166 "Resistor" 0603 7925,21440 r90 top value=100k (schematic designator R43)
R167 "Resistor" 0603 7645,21440 r90 top value=634R (schematic designator R44)
R168 "Resistor" 0603 12950,15140 r90 top value=1k (schematic designator R34)
R169 "Resistor" 0603 12160,15140 r90 top value=91R (schematic designator R35)
R170 "Resistor" 0603 11620,15140 r90 top value=100k (schematic designator R36)
R171 "Resistor" 0603 11900,15140 r90 top value=100k (schematic designator R37)
R172 "Resistor" 0603 11340,15140 r90 top value=634R (schematic designator R38)
R173 "Resistor" 0603 9815,15140 r90 top value=10R (schematic designator R39)
R174 "Resistor" 0603 9255,15140 r90 top value=100k (schematic designator R40)
R175 "Resistor" 0603 8975,15140 r90 top value=1k (schematic designator R41)
R176 "Resistor" 0603 8185,15140 r90 top value=91R (schematic designator R42)
R177 "Resistor" 0603 7905,15140 r90 top value=100k (schematic designator R43)
R178 "Resistor" 0603 7625,15140 r90 top value=634R (schematic designator R44)
R179 "Resistor" 0603 12950,22340 r90 top value=1k (schematic designator R34)
R180 "Resistor" 0603 12180,22340 r90 top value=91R (schematic designator R35)
R181 "Resistor" 0603 11640,22340 r90 top value=100k (schematic designator R36)
R182 "Resistor" 0603 11900,22340 r90 top value=100k (schematic designator R37)
R183 "Resistor" 0603 11360,22340 r90 top value=634R (schematic designator R38)
R184 "Resistor" 0603 9835,22340 r90 top value=10R (schematic designator R39)
R185 "Resistor" 0603 9275,22340 r90 top value=100k (schematic designator R40)
R186 "Resistor" 0603 8995,22340 r90 top value=1k (schematic designator R41)
R187 "Resistor" 0603 8205,22340 r90 top value=91R (schematic designator R42)
R188 "Resistor" 0603 7925,22340 r90 top value=100k (schematic designator R43)
R189 "Resistor" 0603 7645,22340 r90 top value=634R (schematic designator R44)
R190 "Resistor" 0603 10575,2560 r90 top value=1k (schematic designator R4)
R191 "Resistor" 0603 10855,2560 r90 top value=91R (schematic designator R5)
R192 "Resistor" 0603 11115,2560 r90 top value=1k (schematic designator R6)
R193 "Resistor" 0603 7740,2560 r90 top value=10k (schematic designator R7)